# KiCad board RoyBoard.kicad_pcb
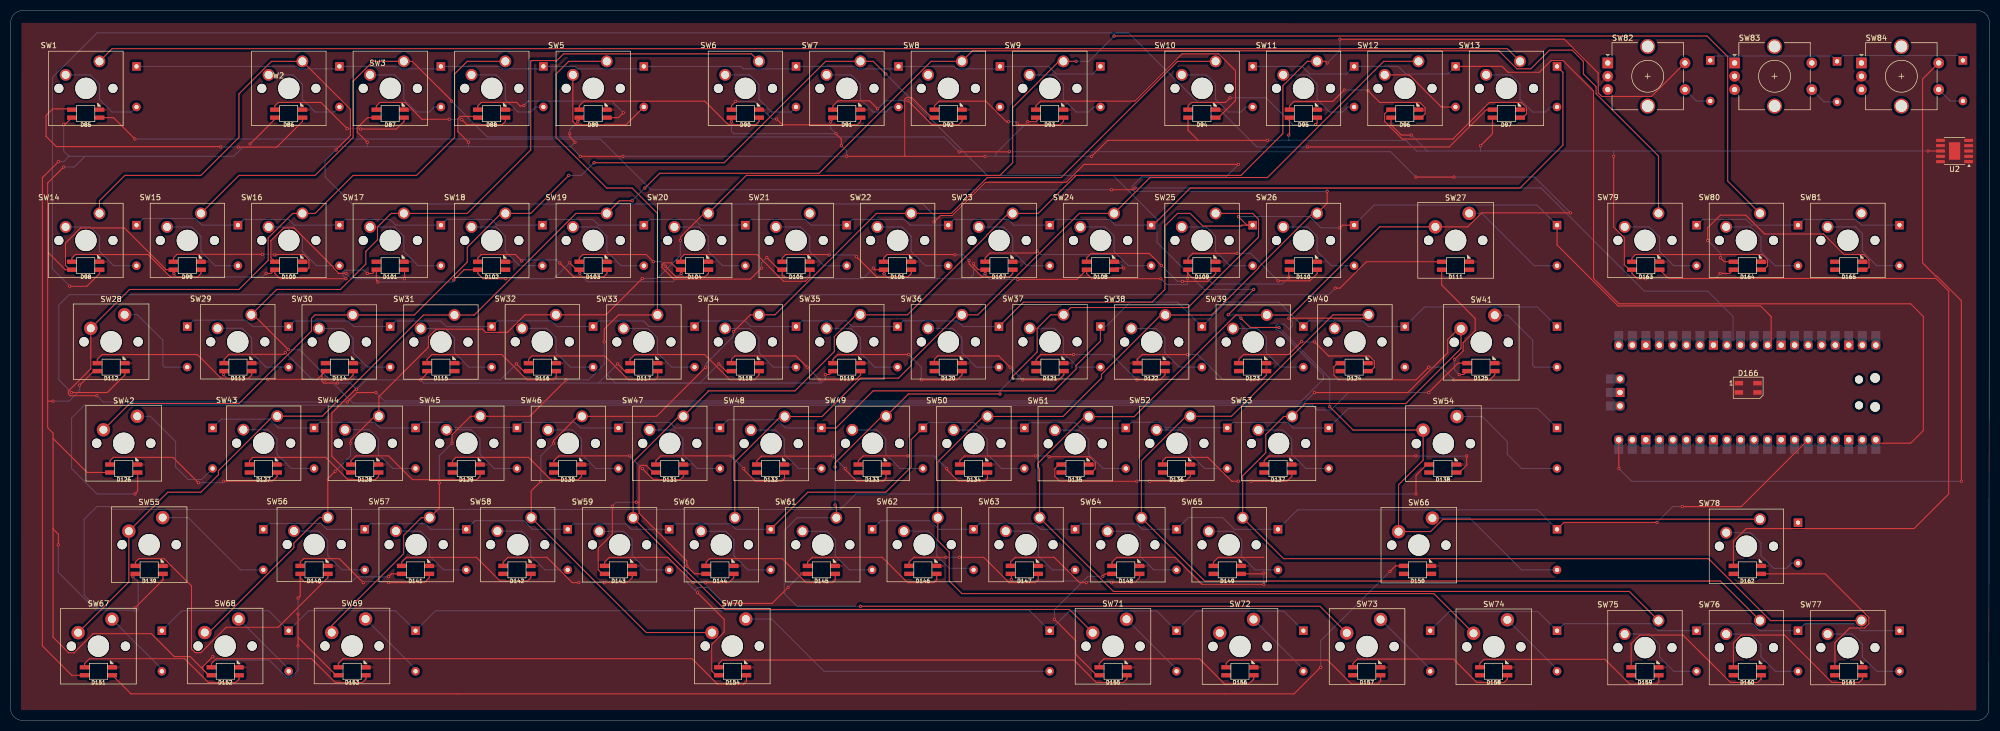
[diagram p0: board, top side]
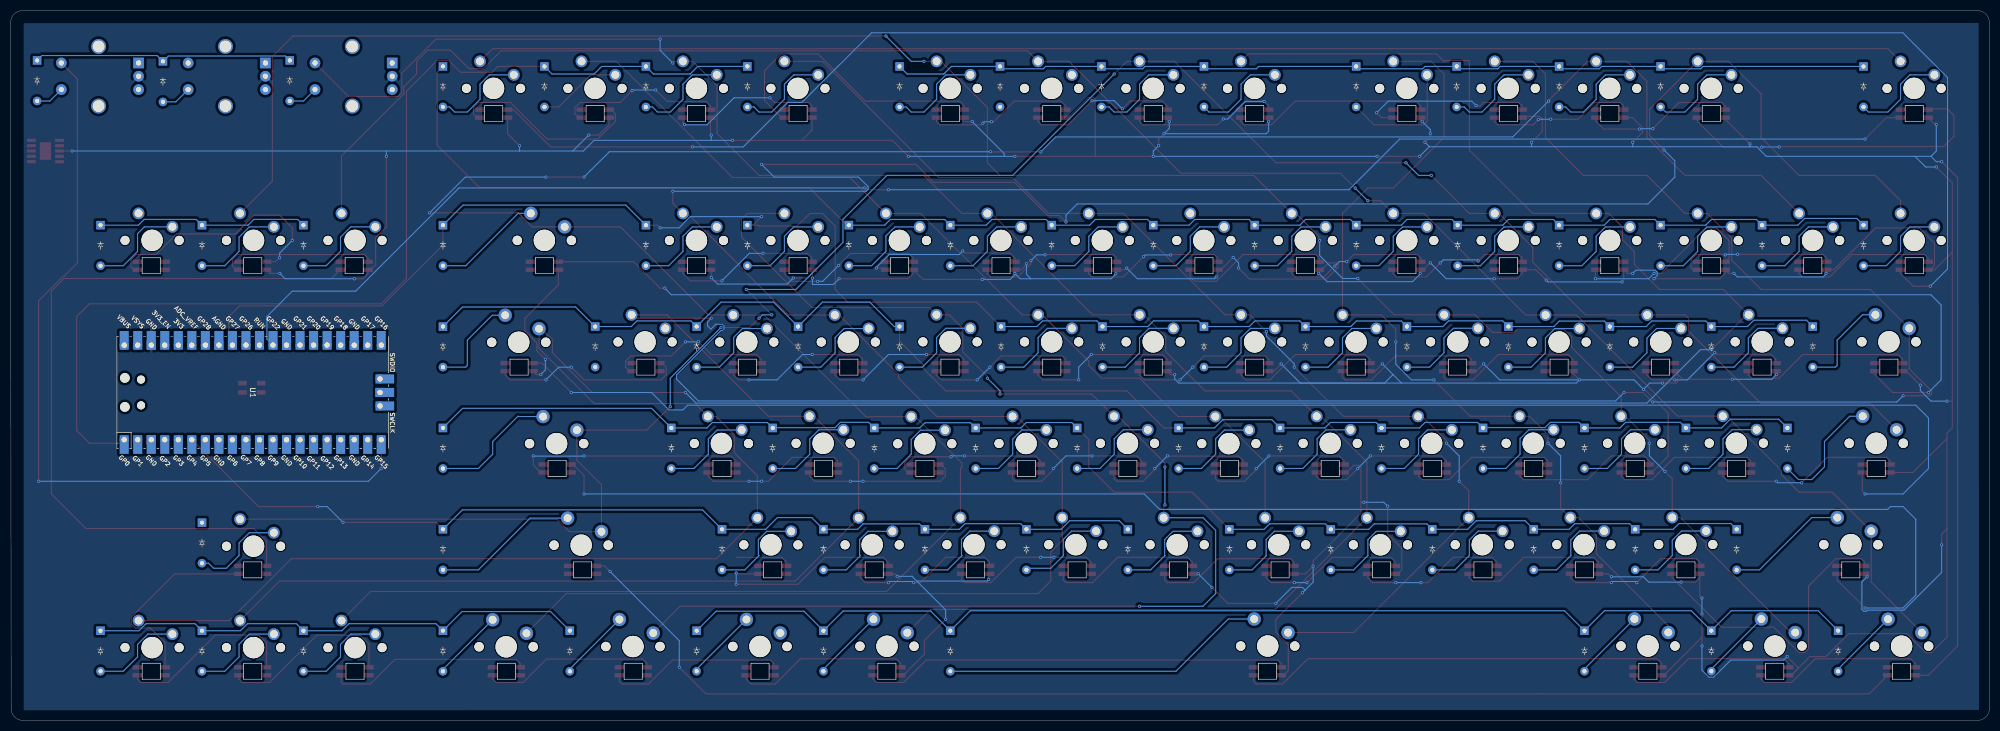
[diagram p1: board, bottom side, seen from below]

Outline 371.49 x 133.35 mm; copper layers: Top, Bottom. Coordinates in mm from the lower left corner of the outline.
Outline path: 0,2.1 0,131.13 ; 0.01,131.13 arc(0.61,132.67) 2.12,133.35 369.23,133.35 ; 2.22,0.01 arc(0.68,0.61) 0,2.12 ; 369.27,133.35 arc(370.81,132.75) 371.49,131.24 371.4,2.22 arc(370.8,0.68) 369.29,0 ; 369.29,0 2.22,0

## Placement (name value [footprint] x y rotation side)
D1  D  [Diode_DO-35]  23.62 122.87 270 bottom
D2  D  [Diode_DO-35]  61.72 122.87 270 bottom
D3  D  [Diode_DO-35]  80.77 122.87 270 bottom
D4  D  [Diode_DO-35]  100.01 122.87 270 bottom
D5  D  [Diode_DO-35]  147.45 122.87 270 bottom
D6  D  [Diode_DO-35]  166.69 122.87 270 bottom
D7  D  [Diode_DO-35]  185.74 122.87 270 bottom
D8  D  [Diode_DO-35]  204.6 122.87 270 bottom
D9  D  [Diode_DO-35]  118.87 122.87 270 bottom
D10  D  [Diode_DO-35]  233.17 122.87 270 bottom
D11  D  [Diode_DO-35]  252.22 122.87 270 bottom
D12  D  [Diode_DO-35]  271.27 122.87 270 bottom
D13  D  [Diode_DO-35]  290.32 122.87 270 bottom
D14  D  [Diode_DO-35]  23.62 93.04 270 bottom
D15  D  [Diode_DO-35]  42.67 93.04 270 bottom
D16  D  [Diode_DO-35]  61.72 93.04 270 bottom
D17  D  [Diode_DO-35]  80.77 93.04 270 bottom
D18  D  [Diode_DO-35]  99.82 93.04 270 bottom
D19  D  [Diode_DO-35]  118.87 93.04 270 bottom
D20  D  [Diode_DO-35]  137.92 93.04 270 bottom
D21  D  [Diode_DO-35]  156.97 93.04 270 bottom
D22  D  [Diode_DO-35]  176.02 93.04 270 bottom
D23  D  [Diode_DO-35]  195.07 93.04 270 bottom
D24  D  [Diode_DO-35]  214.12 93.04 270 bottom
D25  D  [Diode_DO-35]  233.17 93.04 270 bottom
D26  D  [Diode_DO-35]  252.22 93.04 270 bottom
D27  D  [Diode_DO-35]  290.32 93.04 270 bottom
D28  D  [Diode_DO-35]  33.15 73.99 270 bottom
D29  D  [Diode_DO-35]  52.2 73.99 270 bottom
D30  D  [Diode_DO-35]  71.25 73.99 270 bottom
D31  D  [Diode_DO-35]  90.3 73.99 270 bottom
D32  D  [Diode_DO-35]  109.35 73.99 270 bottom
D33  D  [Diode_DO-35]  128.4 73.99 270 bottom
D34  D  [Diode_DO-35]  147.45 73.99 270 bottom
D35  D  [Diode_DO-35]  166.5 73.99 270 bottom
D36  D  [Diode_DO-35]  185.55 73.99 270 bottom
D37  D  [Diode_DO-35]  204.6 73.99 270 bottom
D38  D  [Diode_DO-35]  223.65 73.99 270 bottom
D39  D  [Diode_DO-35]  242.7 73.99 270 bottom
D40  D  [Diode_DO-35]  261.75 73.99 270 bottom
D41  D  [Diode_DO-35]  290.32 73.99 270 bottom
D42  D  [Diode_DO-35]  37.91 54.94 270 bottom
D43  D  [Diode_DO-35]  56.96 54.94 270 bottom
D44  D  [Diode_DO-35]  76.01 54.94 270 bottom
D45  D  [Diode_DO-35]  95.06 54.94 270 bottom
D46  D  [Diode_DO-35]  114.11 54.94 270 bottom
D47  D  [Diode_DO-35]  133.16 54.94 270 bottom
D48  D  [Diode_DO-35]  152.21 54.94 270 bottom
D49  D  [Diode_DO-35]  171.26 54.94 270 bottom
D50  D  [Diode_DO-35]  190.31 54.94 270 bottom
D51  D  [Diode_DO-35]  209.36 54.94 270 bottom
D52  D  [Diode_DO-35]  228.41 54.94 270 bottom
D53  D  [Diode_DO-35]  247.46 54.94 270 bottom
D54  D  [Diode_DO-35]  290.32 54.94 270 bottom
D55  D  [Diode_DO-35]  47.44 35.89 270 bottom
D56  D  [Diode_DO-35]  66.49 35.89 270 bottom
D57  D  [Diode_DO-35]  85.54 35.89 270 bottom
D58  D  [Diode_DO-35]  104.59 35.89 270 bottom
D59  D  [Diode_DO-35]  123.64 35.89 270 bottom
D60  D  [Diode_DO-35]  142.69 35.89 270 bottom
D61  D  [Diode_DO-35]  161.74 35.89 270 bottom
D62  D  [Diode_DO-35]  180.79 35.89 270 bottom
D63  D  [Diode_DO-35]  199.84 35.89 270 bottom
D64  D  [Diode_DO-35]  218.89 35.89 270 bottom
D65  D  [Diode_DO-35]  237.94 35.89 270 bottom
D66  D  [Diode_DO-35]  290.32 35.89 270 bottom
D67  D  [Diode_DO-35]  28.39 16.84 270 bottom
D68  D  [Diode_DO-35]  52.2 16.84 270 bottom
D69  D  [Diode_DO-35]  76.01 16.84 270 bottom
D70  D  [Diode_DO-35]  195.07 16.84 270 bottom
D71  D  [Diode_DO-35]  218.89 16.84 270 bottom
D72  D  [Diode_DO-35]  242.7 16.84 270 bottom
D73  D  [Diode_DO-35]  266.51 16.84 270 bottom
D74  D  [Diode_DO-35]  290.32 16.84 270 bottom
D75  D  [Diode_DO-35]  316.52 16.84 270 bottom
D76  D  [Diode_DO-35]  335.57 16.84 270 bottom
D77  D  [Diode_DO-35]  354.62 16.84 270 bottom
D78  D  [Diode_DO-35]  335.57 37.15 270 bottom
D79  D  [Diode_DO-35]  316.52 93.04 270 bottom
D80  D  [Diode_DO-35]  335.57 93.04 270 bottom
D81  D  [Diode_DO-35]  354.62 93.04 270 bottom
D82  D  [Diode_DO-35]  342.9 123.83 270 bottom
D83  D  [Diode_DO-35]  319.09 124 270 bottom
D84  D  [Diode_DO-35]  366.52 124 270 bottom
D85  SK6812MINI  [SK6812MINI-E]  14.1 114 0 top
D86  SK6812MINI  [SK6812MINI-E]  52.2 114 0 top
D87  SK6812MINI  [SK6812MINI-E]  71.25 114 0 top
D88  SK6812MINI  [SK6812MINI-E]  90.3 114 0 top
D89  SK6812MINI  [SK6812MINI-E]  109.35 114 0 top
D90  SK6812MINI  [SK6812MINI-E]  137.92 114 0 top
D91  SK6812MINI  [SK6812MINI-E]  156.97 114 0 top
D92  SK6812MINI  [SK6812MINI-E]  176.02 114 0 top
D93  SK6812MINI  [SK6812MINI-E]  195.07 114 0 top
D94  SK6812MINI  [SK6812MINI-E]  223.65 114 0 top
D95  SK6812MINI  [SK6812MINI-E]  242.7 114 0 top
D96  SK6812MINI  [SK6812MINI-E]  261.75 114 0 top
D97  SK6812MINI  [SK6812MINI-E]  280.8 114 0 top
D98  SK6812MINI  [SK6812MINI-E]  14.1 85.42 0 top
D99  SK6812MINI  [SK6812MINI-E]  33.15 85.42 0 top
D100  SK6812MINI  [SK6812MINI-E]  52.2 85.42 0 top
D101  SK6812MINI  [SK6812MINI-E]  71.25 85.42 0 top
D102  SK6812MINI  [SK6812MINI-E]  90.3 85.42 0 top
D103  SK6812MINI  [SK6812MINI-E]  109.35 85.42 0 top
D104  SK6812MINI  [SK6812MINI-E]  128.4 85.42 0 top
D105  SK6812MINI  [SK6812MINI-E]  147.45 85.42 0 top
D106  SK6812MINI  [SK6812MINI-E]  166.5 85.42 0 top
D107  SK6812MINI  [SK6812MINI-E]  185.55 85.42 0 top
D108  SK6812MINI  [SK6812MINI-E]  204.6 85.42 0 top
D109  SK6812MINI  [SK6812MINI-E]  223.65 85.42 0 top
D110  SK6812MINI  [SK6812MINI-E]  242.7 85.42 0 top
D111  SK6812MINI  [SK6812MINI-E]  271.27 85.42 0 top
D112  SK6812MINI  [SK6812MINI-E]  18.86 66.37 0 top
D113  SK6812MINI  [SK6812MINI-E]  42.67 66.37 0 top
D114  SK6812MINI  [SK6812MINI-E]  61.72 66.37 0 top
D115  SK6812MINI  [SK6812MINI-E]  80.77 66.37 0 top
D116  SK6812MINI  [SK6812MINI-E]  99.82 66.37 0 top
D117  SK6812MINI  [SK6812MINI-E]  118.87 66.37 0 top
D118  SK6812MINI  [SK6812MINI-E]  137.92 66.37 0 top
D119  SK6812MINI  [SK6812MINI-E]  156.98 66.37 0 top
D120  SK6812MINI  [SK6812MINI-E]  176.02 66.37 0 top
D121  SK6812MINI  [SK6812MINI-E]  195.13 66.37 0 top
D122  SK6812MINI  [SK6812MINI-E]  214.12 66.37 0 top
D123  SK6812MINI  [SK6812MINI-E]  233.17 66.37 0 top
D124  SK6812MINI  [SK6812MINI-E]  252.22 66.37 0 top
D125  SK6812MINI  [SK6812MINI-E]  276.04 66.37 0 top
D126  SK6812MINI  [SK6812MINI-E]  21.24 47.32 0 top
D127  SK6812MINI  [SK6812MINI-E]  47.44 47.32 0 top
D128  SK6812MINI  [SK6812MINI-E]  66.49 47.32 0 top
D129  SK6812MINI  [SK6812MINI-E]  85.54 47.32 0 top
D130  SK6812MINI  [SK6812MINI-E]  104.59 47.32 0 top
D131  SK6812MINI  [SK6812MINI-E]  123.75 47.32 0 top
D132  SK6812MINI  [SK6812MINI-E]  142.69 47.32 0 top
D133  SK6812MINI  [SK6812MINI-E]  161.74 47.32 0 top
D134  SK6812MINI  [SK6812MINI-E]  180.79 47.32 0 top
D135  SK6812MINI  [SK6812MINI-E]  199.84 47.32 0 top
D136  SK6812MINI  [SK6812MINI-E]  218.89 47.32 0 top
D137  SK6812MINI  [SK6812MINI-E]  237.94 47.32 0 top
D138  SK6812MINI  [SK6812MINI-E]  268.89 47.32 0 top
D139  SK6812MINI  [SK6812MINI-E]  26.01 28.27 0 top
D140  SK6812MINI  [SK6812MINI-E]  56.96 28.27 0 top
D141  SK6812MINI  [SK6812MINI-E]  76.01 28.27 0 top
D142  SK6812MINI  [SK6812MINI-E]  95.06 28.27 0 top
D143  SK6812MINI  [SK6812MINI-E]  114.11 28.27 0 top
D144  SK6812MINI  [SK6812MINI-E]  133.16 28.27 0 top
D145  SK6812MINI  [SK6812MINI-E]  152.21 28.27 0 top
D146  SK6812MINI  [SK6812MINI-E]  171.26 28.27 0 top
D147  SK6812MINI  [SK6812MINI-E]  190.31 28.27 0 top
D148  SK6812MINI  [SK6812MINI-E]  209.36 28.27 0 top
D149  SK6812MINI  [SK6812MINI-E]  228.41 28.27 0 top
D150  SK6812MINI  [SK6812MINI-E]  264.13 28.27 0 top
D151  SK6812MINI  [SK6812MINI-E]  16.48 9.22 0 top
D152  SK6812MINI  [SK6812MINI-E]  40.29 9.22 0 top
D153  SK6812MINI  [SK6812MINI-E]  64.11 9.22 0 top
D154  SK6812MINI  [SK6812MINI-E]  135.54 9.22 0 top
D155  SK6812MINI  [SK6812MINI-E]  206.98 9.22 0 top
D156  SK6812MINI  [SK6812MINI-E]  230.79 9.22 0 top
D157  SK6812MINI  [SK6812MINI-E]  254.61 9.22 0 top
D158  SK6812MINI  [SK6812MINI-E]  278.42 9.22 0 top
D159  SK6812MINI  [SK6812MINI-E]  306.83 9.22 0 top
D160  SK6812MINI  [SK6812MINI-E]  326.04 9.22 0 top
D161  SK6812MINI  [SK6812MINI-E]  345.09 9.22 0 top
D162  SK6812MINI  [SK6812MINI-E]  326.04 28.27 0 top
D163  SK6812MINI  [SK6812MINI-E]  306.99 85.42 0 top
D164  SK6812MINI  [SK6812MINI-E]  326.04 85.42 0 top
D165  SK6812MINI  [SK6812MINI-E]  345.09 85.42 0 top
D166  SK6812MINI  [LED_SK6812MINI_PLCC4_3.5x3.5mm_P1.75mm]  326.21 62.49 0 top
SW1  SW_Push  [SW_Cherry_MX_1.00u_PCB]  16.67 123.83 0 top
SW2  SW_Push  [SW_Cherry_MX_1.00u_PCB]  54.77 123.83 0 top
SW3  SW_Push  [SW_Cherry_MX_1.00u_PCB]  73.82 123.83 0 top
SW4  SW_Push  [SW_Cherry_MX_1.00u_PCB]  92.87 123.83 0 top
SW5  SW_Push  [SW_Cherry_MX_1.00u_PCB]  111.92 123.83 0 top
SW6  SW_Push  [SW_Cherry_MX_1.00u_PCB]  140.49 123.83 0 top
SW7  SW_Push  [SW_Cherry_MX_1.00u_PCB]  159.54 123.83 0 top
SW8  SW_Push  [SW_Cherry_MX_1.00u_PCB]  178.59 123.83 0 top
SW9  SW_Push  [SW_Cherry_MX_1.00u_PCB]  197.64 123.83 0 top
SW10  SW_Push  [SW_Cherry_MX_1.00u_PCB]  226.22 123.83 0 top
SW11  SW_Push  [SW_Cherry_MX_1.00u_PCB]  245.27 123.83 0 top
SW12  SW_Push  [SW_Cherry_MX_1.00u_PCB]  264.32 123.83 0 top
SW13  SW_Push  [SW_Cherry_MX_1.00u_PCB]  283.37 123.83 0 top
SW14  SW_Push  [SW_Cherry_MX_1.00u_PCB]  16.67 95.25 0 top
SW15  SW_Push  [SW_Cherry_MX_1.00u_PCB]  35.72 95.25 0 top
SW16  SW_Push  [SW_Cherry_MX_1.00u_PCB]  54.77 95.25 0 top
SW17  SW_Push  [SW_Cherry_MX_1.00u_PCB]  73.82 95.25 0 top
SW18  SW_Push  [SW_Cherry_MX_1.00u_PCB]  92.87 95.25 0 top
SW19  SW_Push  [SW_Cherry_MX_1.00u_PCB]  111.92 95.25 0 top
SW20  SW_Push  [SW_Cherry_MX_1.00u_PCB]  130.97 95.25 0 top
SW21  SW_Push  [SW_Cherry_MX_1.00u_PCB]  150.02 95.25 0 top
SW22  SW_Push  [SW_Cherry_MX_1.00u_PCB]  169.07 95.25 0 top
SW23  SW_Push  [SW_Cherry_MX_1.00u_PCB]  188.12 95.25 0 top
SW24  SW_Push  [SW_Cherry_MX_1.00u_PCB]  207.17 95.25 0 top
SW25  SW_Push  [SW_Cherry_MX_1.00u_PCB]  226.22 95.25 0 top
SW26  SW_Push  [SW_Cherry_MX_1.00u_PCB]  245.27 95.25 0 top
SW27  SW_Push  [SW_Cherry_MX_PCB_2.00u]  271.29 90.19 0 top
SW28  SW_Push  [SW_Cherry_MX_PCB_1.50u]  18.85 71.13 0 top
SW29  SW_Push  [SW_Cherry_MX_1.00u_PCB]  45.18 76.21 0 top
SW30  SW_Push  [SW_Cherry_MX_1.00u_PCB]  64.23 76.18 0 top
SW31  SW_Push  [SW_Cherry_MX_1.00u_PCB]  83.32 76.17 0 top
SW32  SW_Push  [SW_Cherry_MX_1.00u_PCB]  102.36 76.21 0 top
SW33  SW_Push  [SW_Cherry_MX_1.00u_PCB]  121.43 76.18 0 top
SW34  SW_Push  [SW_Cherry_MX_1.00u_PCB]  140.48 76.19 0 top
SW35  SW_Push  [SW_Cherry_MX_1.00u_PCB]  159.52 76.2 0 top
SW36  SW_Push  [SW_Cherry_MX_1.00u_PCB]  178.59 76.2 0 top
SW37  SW_Push  [SW_Cherry_MX_1.00u_PCB]  197.67 76.21 0 top
SW38  SW_Push  [SW_Cherry_MX_1.00u_PCB]  216.76 76.17 0 top
SW39  SW_Push  [SW_Cherry_MX_1.00u_PCB]  235.83 76.17 0 top
SW40  SW_Push  [SW_Cherry_MX_1.00u_PCB]  254.92 76.19 0 top
SW41  SW_Push  [SW_Cherry_MX_PCB_1.50u]  276.1 71.04 0 top
SW42  SW_Push  [SW_Cherry_MX_PCB_1.75u]  21.23 52.06 0 top
SW43  SW_Push  [SW_Cherry_MX_1.00u_PCB]  50.04 57.16 0 top
SW44  SW_Push  [SW_Cherry_MX_1.00u_PCB]  69.13 57.14 0 top
SW45  SW_Push  [SW_Cherry_MX_1.00u_PCB]  88.18 57.14 0 top
SW46  SW_Push  [SW_Cherry_MX_1.00u_PCB]  107.25 57.12 0 top
SW47  SW_Push  [SW_Cherry_MX_1.00u_PCB]  126.29 57.12 0 top
SW48  SW_Push  [SW_Cherry_MX_1.00u_PCB]  145.32 57.08 0 top
SW49  SW_Push  [SW_Cherry_MX_1.00u_PCB]  164.35 57.13 0 top
SW50  SW_Push  [SW_Cherry_MX_1.00u_PCB]  183.39 57.1 0 top
SW51  SW_Push  [SW_Cherry_MX_1.00u_PCB]  202.41 57.06 0 top
SW52  SW_Push  [SW_Cherry_MX_1.00u_PCB]  221.49 57.13 0 top
SW53  SW_Push  [SW_Cherry_MX_1.00u_PCB]  240.59 57.1 0 top
SW54  SW_Push  [SW_Cherry_MX_PCB_2.25u]  268.99 52 0 top
SW55  SW_Push  [SW_Cherry_MX_PCB_2.25u]  26 33.01 0 top
SW56  SW_Push  [SW_Cherry_MX_1.00u_PCB]  59.54 38.12 0 top
SW57  SW_Push  [SW_Cherry_MX_1.00u_PCB]  78.67 38.1 0 top
SW58  SW_Push  [SW_Cherry_MX_1.00u_PCB]  97.74 38.09 0 top
SW59  SW_Push  [SW_Cherry_MX_1.00u_PCB]  116.86 38.06 0 top
SW60  SW_Push  [SW_Cherry_MX_1.00u_PCB]  135.97 38.07 0 top
SW61  SW_Push  [SW_Cherry_MX_1.00u_PCB]  155.02 38.07 0 top
SW62  SW_Push  [SW_Cherry_MX_1.00u_PCB]  174.06 38.09 0 top
SW63  SW_Push  [SW_Cherry_MX_1.00u_PCB]  193.17 38.09 0 top
SW64  SW_Push  [SW_Cherry_MX_1.00u_PCB]  212.29 38.06 0 top
SW65  SW_Push  [SW_Cherry_MX_1.00u_PCB]  231.3 38.06 0 top
SW66  SW_Push  [SW_Cherry_MX_PCB_2.75u]  264.38 32.92 0 top
SW67  SW_Push  [SW_Cherry_MX_PCB_1.25u]  16.48 13.93 0 top
SW68  SW_Push  [SW_Cherry_MX_PCB_1.25u]  40.26 13.96 0 top
SW69  SW_Push  [SW_Cherry_MX_PCB_1.25u]  64.09 13.97 0 top
SW70  SW_Push  [SW_Cherry_MX_PCB_6.25u]  135.48 13.96 0 top
SW71  SW_Push  [SW_Cherry_MX_PCB_1.25u]  206.96 13.92 0 top
SW72  SW_Push  [SW_Cherry_MX_PCB_1.25u]  230.81 13.88 0 top
SW73  SW_Push  [SW_Cherry_MX_PCB_1.25u]  254.66 13.87 0 top
SW74  SW_Push  [SW_Cherry_MX_PCB_1.25u]  278.46 13.82 0 top
SW75  SW_Push  [SW_Cherry_MX_1.00u_PCB]  309.37 18.75 0 top
SW76  SW_Push  [SW_Cherry_MX_1.00u_PCB]  328.42 18.75 0 top
SW77  SW_Push  [SW_Cherry_MX_1.00u_PCB]  347.47 18.75 0 top
SW78  SW_Push  [SW_Cherry_MX_1.00u_PCB]  328.42 37.8 0 top
SW79  SW_Push  [SW_Cherry_MX_1.00u_PCB]  309.37 95.27 0 top
SW80  SW_Push  [SW_Cherry_MX_1.00u_PCB]  328.42 95.27 0 top
SW81  SW_Push  [SW_Cherry_MX_1.00u_PCB]  347.47 95.27 0 top
SW82  RotaryEncoder_Switch  [RotaryEncoder_Alps_EC12E-Switch_Vertical_H20mm_CircularMountingHoles]  299.85 123.52 0 top
SW83  RotaryEncoder_Switch  [RotaryEncoder_Alps_EC12E-Switch_Vertical_H20mm_CircularMountingHoles]  323.66 123.52 0 top
SW84  RotaryEncoder_Switch  [RotaryEncoder_Alps_EC12E-Switch_Vertical_H20mm_CircularMountingHoles]  347.47 123.52 0 top
U1  Pico  [RPi_Pico_SMD_TH]  326.04 61.61 90 bottom
U2  CH224K  [SSOP-10-1EP_3.9x4.9mm_P1mm_EP2.1x3.3mm]  364.96 106.98 180 top

## Library data of the parts
D1-D84 = -: Description: Diode; Sim.Pins: 1=K 2=A; ki_fp_filters: TO-???* *_Diode_* *SingleDiode* D_*
D85-D166 = -: Datasheet: https://cdn-shop.adafruit.com/product-files/2686/SK6812MINI_REV.01-1-2.pdf; Description: RGB LED with integrated controller; ki_fp_filters: LED*SK6812MINI*PLCC*3.5x3.5mm*P1.75mm*
SW1-SW81 = -: Description: Push button switch, generic, two pins
SW82-SW84 = -: Description: Rotary encoder, dual channel, incremental quadrate outputs, with switch; ki_fp_filters: RotaryEncoder*Switch*
U2 = -: Datasheet: https://www.wch.cn/downloads/file/301.html; Description: 100W USB Type-C PD3.0/2.0, BC1.2 Sink Controller, SSOP-10; ki_fp_filters: SSOP*3.9x4.9mm*P1mm*EP2.1x3.3mm*

## Footprints (pads in the part's own frame, mm; a bottom-side part is the same pattern mirrored in y, then rotated)
Diode_DO-35
  rect 1.6x1.6 hole 0.8: 1(0,0)
  oval 1.6x1.6 hole 0.8: 2(7.62,0)
LED_SK6812MINI_PLCC4_3.5x3.5mm_P1.75mm
  rect 1.6x0.85 smd: 1(-1.75,0.875) 2(-1.75,-0.875) 3(1.75,-0.875) 4(1.75,0.875)
RotaryEncoder_Alps_EC12E-Switch_Vertical_H20mm_CircularMountingHoles
  rect 2x2 hole 1: A(0,0)
  round 2 hole 1: B(0,-5) C(0,-2.5) S1(14.5,0) S2(14.5,-5)
  round 2.8 hole 2.2: MP(7.5,3.1) MP(7.5,-8.1)
RPi_Pico_SMD_TH
  oval 1.8x1.8 hole 1.8 unplated: (-2.725,24) (2.725,24)
  oval 1.5x1.5 hole 1.5 unplated: (-2.425,20.97) (2.425,20.97)
  oval 1.7x1.7 hole 1.02: 1(-8.89,24.13) 2(-8.89,21.59) 4(-8.89,16.51) 5(-8.89,13.97) 6(-8.89,11.43) 7(-8.89,8.89) 9(-8.89,3.81) 10(-8.89,1.27) 11(-8.89,-1.27) 12(-8.89,-3.81) 14(-8.89,-8.89) 15(-8.89,-11.43) 16(-8.89,-13.97) 17(-8.89,-16.51) 19(-8.89,-21.59) 20(-8.89,-24.13) 21(8.89,-24.13) 22(8.89,-21.59) 24(8.89,-16.51) 25(8.89,-13.97) 26(8.89,-11.43) 27(8.89,-8.89) 29(8.89,-3.81) 30(8.89,-1.27) 31(8.89,1.27) 32(8.89,3.81) 34(8.89,8.89) 35(8.89,11.43) 36(8.89,13.97) 37(8.89,16.51) 39(8.89,21.59) 40(8.89,24.13) 41(-2.54,-23.9) 43(2.54,-23.9)
  rect 3.5x1.7 smd: 1(-8.89,24.13) 2(-8.89,21.59) 3(-8.89,19.05) 4(-8.89,16.51) 5(-8.89,13.97) 6(-8.89,11.43) 7(-8.89,8.89) 8(-8.89,6.35) 9(-8.89,3.81) 10(-8.89,1.27) 11(-8.89,-1.27) 12(-8.89,-3.81) 13(-8.89,-6.35) 14(-8.89,-8.89) 15(-8.89,-11.43) 16(-8.89,-13.97) 17(-8.89,-16.51) 18(-8.89,-19.05) 19(-8.89,-21.59) 20(-8.89,-24.13) 21(8.89,-24.13) 22(8.89,-21.59) 23(8.89,-19.05) 24(8.89,-16.51) 25(8.89,-13.97) 26(8.89,-11.43) 27(8.89,-8.89) 28(8.89,-6.35) 29(8.89,-3.81) 30(8.89,-1.27) 31(8.89,1.27) 32(8.89,3.81) 33(8.89,6.35) 34(8.89,8.89) 35(8.89,11.43) 36(8.89,13.97) 37(8.89,16.51) 38(8.89,19.05) 39(8.89,21.59) 40(8.89,24.13)
  rect 1.7x1.7 hole 1.02: 3(-8.89,19.05) 8(-8.89,6.35) 13(-8.89,-6.35) 18(-8.89,-19.05) 23(8.89,-19.05) 28(8.89,-6.35) 33(8.89,6.35) 38(8.89,19.05) 42(0,-23.9)
  rect 1.7x3.5 smd: 41(-2.54,-23.9) 42(0,-23.9) 43(2.54,-23.9)
SK6812MINI-E
  rect 1.8x0.82 smd: 1(-2.6,0.75) 3(2.6,-0.75) 4(-2.6,-0.75)
  rrect 1.8x0.82 smd: 2(2.6,0.75)
SSOP-10-1EP_3.9x4.9mm_P1mm_EP2.1x3.3mm
  rrect 1.69x2.66 smd: (0,0)
  rrect 1.675x0.6 smd: 1(-2.638,2) 2(-2.638,1) 3(-2.638,0) 4(-2.638,-1) 5(-2.638,-2) 6(2.638,-2) 7(2.638,-1) 8(2.638,0) 9(2.638,1) 10(2.638,2)
  rect 2.1x3.3 smd: 11(0,0)
SW_Cherry_MX_1.00u_PCB
  round 1.7 hole 1.7 unplated: (-7.62,-5.08) (2.54,-5.08)
  round 4 hole 4 unplated: (-2.54,-5.08)
  round 2.2 hole 1.5: 1(0,0) 2(-6.35,-2.54)
SW_Cherry_MX_PCB_1.25u
  round 1.75 hole 1.75 unplated: (-5.08,0) (5.08,0)
  round 4 hole 4 unplated: (0,0)
  round 2.5 hole 1.5: 1(-3.81,2.54) 2(2.54,5.08)
SW_Cherry_MX_PCB_1.50u
  round 1.75 hole 1.75 unplated: (-5.08,0) (5.08,0)
  round 4 hole 4 unplated: (0,0)
  round 2.5 hole 1.5: 1(-3.81,2.54) 2(2.54,5.08)
SW_Cherry_MX_PCB_1.75u
  round 1.75 hole 1.75 unplated: (-5.08,0) (5.08,0)
  round 4 hole 4 unplated: (0,0)
  round 2.5 hole 1.5: 1(-3.81,2.54) 2(2.54,5.08)
SW_Cherry_MX_PCB_2.00u
  round 1.75 hole 1.75 unplated: (-5.08,0) (5.08,0)
  round 4 hole 4 unplated: (0,0)
  round 2.5 hole 1.5: 1(-3.81,2.54) 2(2.54,5.08)
SW_Cherry_MX_PCB_2.25u
  round 1.75 hole 1.75 unplated: (-5.08,0) (5.08,0)
  round 4 hole 4 unplated: (0,0)
  round 2.5 hole 1.5: 1(-3.81,2.54) 2(2.54,5.08)
SW_Cherry_MX_PCB_2.75u
  round 1.75 hole 1.75 unplated: (-5.08,0) (5.08,0)
  round 4 hole 4 unplated: (0,0)
  round 2.5 hole 1.5: 1(-3.81,2.54) 2(2.54,5.08)
SW_Cherry_MX_PCB_6.25u
  round 1.75 hole 1.75 unplated: (-5.08,0) (5.08,0)
  round 4 hole 4 unplated: (0,0)
  round 2.5 hole 1.5: 1(-3.81,2.54) 2(2.54,5.08)

## Nets
+5V: D85.4 D86.4 D87.4 D88.4 D89.4 D90.4 D91.4 D92.4 D93.4 D94.4 D95.4 D96.4 D97.4 D98.4 D99.4 D100.4 D101.4 D102.4 D103.4 D104.4 D105.4 D106.4 D107.4 D108.4 D109.4 D110.4 D111.4 D112.4 D113.4 D114.4 D115.4 D116.4 D117.4 D118.4 D119.4 D120.4 D121.4 D122.4 D123.4 D124.4 D125.4 D126.4 D127.4 D128.4 D129.4 D130.4 D131.4 D132.4 D133.4 D134.4 D135.4 D136.4 D137.4 D138.4 D139.4 D140.4 D141.4 D142.4 D143.4 D144.4 D145.4 D146.4 D147.4 D148.4 D149.4 D150.4 D151.4 D152.4 D153.4 D154.4 D155.4 D156.4 D157.4 D158.4 D159.4 D160.4 D161.4 D162.4 D163.4 D164.4 D165.4 D166.4 U1.40 U2.8
GND: D85.2 D86.2 D87.2 D88.2 D89.2 D90.2 D91.2 D92.2 D93.2 D94.2 D95.2 D96.2 D97.2 D98.2 D99.2 D100.2 D101.2 D102.2 D103.2 D104.2 D105.2 D106.2 D107.2 D108.2 D109.2 D110.2 D111.2 D112.2 D113.2 D114.2 D115.2 D116.2 D117.2 D118.2 D119.2 D120.2 D121.2 D122.1 D122.2 D123.2 D123.3 D124.2 D125.2 D126.2 D127.2 D128.2 D129.2 D130.2 D131.2 D132.2 D133.2 D134.2 D135.2 D136.2 D137.2 D138.2 D139.2 D140.2 D141.2 D142.2 D143.2 D144.2 D145.2 D146.2 D147.2 D148.2 D149.2 D150.2 D151.2 D152.2 D153.2 D154.2 D155.2 D156.2 D157.2 D158.2 D159.2 D160.2 D161.2 D162.2 D163.2 D164.2 D165.2 D166.2 SW82.C SW83.C SW84.C U1.38
VDD: U2.9
col1: SW1.1 SW13.1 SW25.1 SW37.1 SW49.1 SW61.1 SW73.1 U1.9
col2: SW2.1 SW14.1 SW26.1 SW38.1 SW50.1 SW62.1 SW74.1 U1.10
col3: SW3.1 SW15.1 SW27.1 SW39.1 SW51.1 SW63.1 SW75.1 U1.11
col4: SW4.1 SW16.1 SW28.1 SW40.1 SW52.1 SW64.1 SW76.1 U1.12
col5: SW6.1 SW17.1 SW29.1 SW41.1 SW53.1 SW65.1 SW77.1 U1.34
col6: SW7.1 SW18.1 SW30.1 SW42.1 SW54.1 SW66.1 SW78.1 U1.14
col7: SW8.1 SW19.1 SW31.1 SW43.1 SW55.1 SW67.1 SW79.1 U1.15
col8: SW9.1 SW20.1 SW32.1 SW44.1 SW56.1 SW68.1 SW80.1 U1.16
col9: SW5.1 SW21.1 SW33.1 SW45.1 SW57.1 SW69.1 SW81.1 U1.17
col10: SW10.1 SW22.1 SW34.1 SW46.1 SW58.1 SW70.1 SW83.S1 U1.31
col11: SW11.1 SW23.1 SW35.1 SW47.1 SW59.1 SW71.1 SW82.S1 U1.19
col12: SW12.1 SW24.1 SW36.1 SW48.1 SW60.1 SW72.1 SW84.S1 U1.20
ec1_1: SW83.A
ec1_2: SW82.A
ec1_3: SW84.A
ec2_1: SW83.B
ec2_2: SW82.B
ec2_3: SW84.B
enc1_1: U1.22
enc1_2: U1.27
enc1_3: U1.25
enc2_1: U1.21
enc2_2: U1.26
enc2_3: U1.24
rgb: D85.3 U1.29
row1: D1.1 D2.1 D3.1 D4.1 D5.1 D6.1 D7.1 D8.1 D9.1 D10.1 D11.1 D12.1 U1.1
row2: D13.1 D14.1 D15.1 D16.1 D17.1 D18.1 D19.1 D20.1 D21.1 D22.1 D23.1 D24.1 U1.2
row3: D25.1 D26.1 D27.1 D28.1 D29.1 D30.1 D31.1 D32.1 D33.1 D34.1 D35.1 D36.1 U1.32
row4: D37.1 D38.1 D39.1 D40.1 D41.1 D42.1 D43.1 D44.1 D45.1 D46.1 D47.1 D48.1 U1.4
row5: D49.1 D50.1 D51.1 D52.1 D53.1 D54.1 D55.1 D56.1 D57.1 D58.1 D59.1 D60.1 U1.5
row6: D61.1 D62.1 D63.1 D64.1 D65.1 D66.1 D67.1 D68.1 D69.1 D70.1 D71.1 D72.1 U1.6
row7: D73.1 D74.1 D75.1 D76.1 D77.1 D78.1 D79.1 D80.1 D81.1 D82.1 D83.1 D84.1 U1.7
Net-(D1-A): D1.2 SW1.2
Net-(D2-A): D2.2 SW2.2
Net-(D3-A): D3.2 SW3.2
Net-(D4-A): D4.2 SW4.2
Net-(D5-A): D5.2 SW6.2
Net-(D6-A): D6.2 SW7.2
Net-(D7-A): D7.2 SW8.2
Net-(D8-A): D8.2 SW9.2
Net-(D9-A): D9.2 SW5.2
Net-(D10-A): D10.2 SW10.2
Net-(D11-A): D11.2 SW11.2
Net-(D12-A): D12.2 SW12.2
Net-(D13-A): D13.2 SW13.2
Net-(D14-A): D14.2 SW14.2
Net-(D15-A): D15.2 SW15.2
Net-(D16-A): D16.2 SW16.2
Net-(D17-A): D17.2 SW17.2
Net-(D18-A): D18.2 SW18.2
Net-(D19-A): D19.2 SW19.2
Net-(D20-A): D20.2 SW20.2
Net-(D21-A): D21.2 SW21.2
Net-(D22-A): D22.2 SW22.2
Net-(D23-A): D23.2 SW23.2
Net-(D24-A): D24.2 SW24.2
Net-(D25-A): D25.2 SW25.2
Net-(D26-A): D26.2 SW26.2
Net-(D27-A): D27.2 SW27.2
Net-(D28-A): D28.2 SW28.2
Net-(D29-A): D29.2 SW29.2
Net-(D30-A): D30.2 SW30.2
Net-(D31-A): D31.2 SW31.2
Net-(D32-A): D32.2 SW32.2
Net-(D33-A): D33.2 SW33.2
Net-(D34-A): D34.2 SW34.2
Net-(D35-A): D35.2 SW35.2
Net-(D36-A): D36.2 SW36.2
Net-(D37-A): D37.2 SW37.2
Net-(D38-A): D38.2 SW38.2
Net-(D39-A): D39.2 SW39.2
Net-(D40-A): D40.2 SW40.2
Net-(D41-A): D41.2 SW41.2
Net-(D42-A): D42.2 SW42.2
Net-(D43-A): D43.2 SW43.2